# Altium PCB A_base2017.PcbDoc (part 3 of 4)
Units mil, origin at the board's own origin, x right, y up, seen from the top; angles counter-clockwise.
Board outline 7800.07 x 4185 mil, 2 copper layers (Top Layer, Bottom Layer); 147 components, 175 nets, 700 pads, 92 vias.
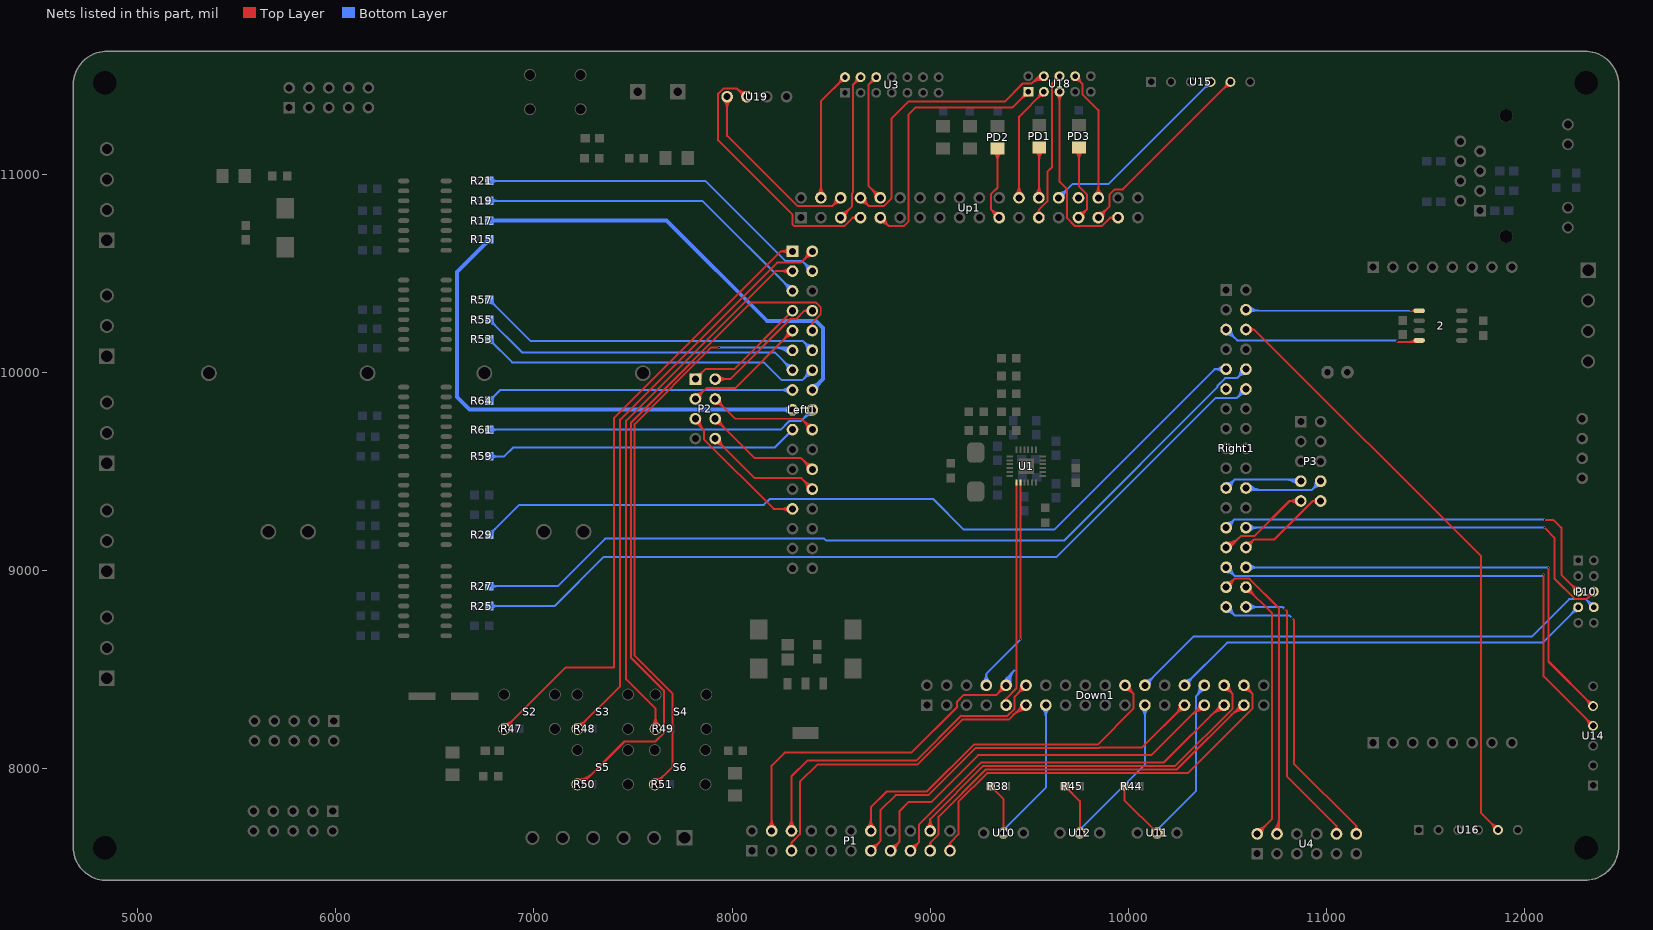
[diagram p3: the nets of this part, all layers, seen from the top]

## Via types
v1: diameter 10, hole 10, Top Layer to Bottom Layer, 80 vias
v2: diameter 20, hole 20, Top Layer to Bottom Layer, 11 vias
v3: diameter 12, hole 12, Top Layer to Bottom Layer, 1 vias

## Nets (pads, with @x,y where several pads share a name; then routed paths per layer and width w, separated by ;. In a path a pad name is that pad's centre, name@x,y a point inside that pad or via, vN(x,y) a via of type N, cw(c..) or ccw(c..) an arc to the next point about the centre after c; other vN are vias at no path point) (continued)
PA10: Right1.6 U16.5 | length 3201.7
  Top Layer w10: Right1.6@10593.09,10215.17 10634.83,10215.17 ; Right1.6@10614.52,10203.24 cw(c10634.83,10191.93) 10634.83,10215.17 ; Right1.6@10614.52,10227.11 ccw(c10634.83,10238.41) 10634.83,10215.17 ; U16.5@11845,7690 ccw(c11796.72,7690) 11830.86,7724.14 ccw(c11865,7758.28) U16.5@11865,7710 ; U16.5@11865,7690 11780,7775 11780,9070 10634.83,10215.17
PA11: 2.4 Right1.5 | length 1199.5
  Top Layer w10: 11362.15,10153.38 cw(c11362.15,10163.49) v1(11355,10156.34) 11357.96,10153.38 11461.09,10153.38 2.4@11467.72,10160 ; 11418.55,10153.38 ccw(c11418.55,10192.43) 2.4@11446.17,10164.82
  Bottom Layer w10: Right1.5@10493.09,10190.64 cw(c10493.09,10131.43) 10534.96,10173.3 cw(c10576.84,10215.17) Right1.5@10517.62,10215.17 ; Right1.5@10493.09,10200.64 cw(c10493.09,10165.57) 10517.89,10190.37 cw(c10542.69,10215.17) Right1.5@10507.62,10215.17 ; Right1.5@10493.09,10215.17 10548.26,10160 11351.34,10160 v1(11355,10156.34) ccw(c11346.16,10147.5) 11346.16,10160
PA12: 2.1 Right1.4 | length 1037
  Top Layer w10: Right1.4@10593.09,10315.17 Right1.4@10598.26,10310 ; v1(11425,10310) 2.1@11467.72,10310 ; 2.1@11446.17,10305.18 ccw(c11434.54,10293.56) 11434.54,10310 ccw(c11434.54,10326.44) 2.1@11446.17,10314.82
  Bottom Layer w10: Right1.4@10598.26,10310 v1(11425,10310) ; Right1.4@10603.37,10325.44 ccw(c10640.65,10362.73) 10640.65,10310 ; Right1.4@10610.44,10297.83 cw(c10639.82,10268.44) 10639.82,10310 ; Right1.4@10610.44,10332.52 ccw(c10664.79,10386.87) 10664.79,10310
PB0: Down1.10 P1.4 | length 2346.7
  Top Layer w10: P1.4@8182.66,7702.34 ccw(c8140.79,7744.21) 8200,7744.21 ccw(c8259.21,7744.21) P1.4@8217.34,7702.34 ; P1.4@8189.73,7695.27 ccw(c8164.93,7720.07) 8200,7720.07 ccw(c8235.07,7720.07) P1.4@8210.27,7695.27 ; P1.4@8200,7685 8200,8015 8265,8080 8905,8080 9135,8310 9135,8337.39 9167.61,8370 9333.16,8370 Down1.10@9383.07,8419.91 ; Down1.10@9358.54,8419.91 cw(c9299.33,8419.91) 9341.2,8378.04 cw(c9383.07,8336.17) Down1.10@9383.07,8395.39 ; Down1.10@9368.54,8419.91 cw(c9333.47,8419.91) 9358.27,8395.11 cw(c9383.07,8370.31) Down1.10@9383.07,8405.39
  Bottom Layer w10: Down1.10@9375.89,8443.37 ccw(c9372.92,8453.07) 9383.07,8453.07 ; Down1.10@9377.79,8418.48 cw(c9417.54,8429.29) 9388.41,8458.41 ; Down1.10@9383.07,8419.91 9383.07,8453.07 ; Down1.10@9387.44,8421.1 cw(c9436.71,8434.5) 9400.61,8470.61 ; Down1.10@9390.25,8443.37 cw(c9393.22,8453.07) 9383.07,8453.07 ; Down1.10@9397.09,8423.73 cw(c9455.89,8439.72) 9412.8,8482.8 ; Down1.10@9406.74,8426.35 cw(c9475.06,8444.93) 9425,8495 9383.07,8453.07
PB1: Down1.11 P1.5 | length 1894.3
  Top Layer w10: P1.5@8288.95,7606.9 ccw(c8279.88,7624.86) 8300,7624.86 ; P1.5@8300,7585 8300,7624.86 ; P1.5@8311.05,7606.9 cw(c8320.12,7624.86) 8300,7624.86 ; 9416.62,8267.86 cw(c9483.07,8201.4) Down1.11@9483.07,8295.39 ; 9433.69,8284.93 cw(c9483.07,8235.55) Down1.11@9483.07,8305.39 ; 9450.76,8302 cw(c9483.07,8269.69) Down1.11@9483.07,8315.39 ; 9451.38,8302.63 ccw(c9434.1,8319.91) Down1.11@9458.54,8319.91 ; Down1.11@9483.07,8319.91 9468.67,8319.91 9395.76,8247 9161.07,8247 8934.07,8020 8430,8020 8342.53,7932.53 8342.53,7667.38 8300,7624.86
PB2: Down1.12 P1.6 | length 1980
  Top Layer w10: P1.6@8282.66,7702.34 ccw(c8240.79,7744.21) 8300,7744.21 ccw(c8359.21,7744.21) P1.6@8317.34,7702.34 ; P1.6@8289.73,7695.27 ccw(c8264.93,7720.07) 8300,7720.07 ccw(c8335.07,7720.07) P1.6@8310.27,7695.27 ; P1.6@8300,7685 8300,7960 8380,8040 8928.61,8040 9153.61,8265 9388.3,8265 9425.6,8302.3 9425.6,8362.44 Down1.12@9483.07,8419.91 ; Down1.12@9458.54,8419.91 cw(c9399.33,8419.91) 9441.2,8378.04 cw(c9483.07,8336.17) Down1.12@9483.07,8395.39 ; Down1.12@9468.54,8419.91 cw(c9433.47,8419.91) 9458.27,8395.11 cw(c9483.07,8370.31) Down1.12@9483.07,8405.39
PB5: U3.6 Up1.10 | length 872.1
  Top Layer w10: 8689.48,10938.61 8689.48,11450.74 U3.6@8727.48,11488.74 ; 8690,10938.09 Up1.10@8748.15,10879.94 ; U3.6@8707.48,11488.74 cw(c8659.2,11488.74) 8693.34,11454.6 cw(c8727.48,11420.46) U3.6@8727.48,11468.74 ; Up1.10@8723.62,10879.94 ccw(c8664.4,10879.94) 8706.27,10921.82 ccw(c8748.15,10963.69) Up1.10@8748.15,10904.47 ; Up1.10@8733.62,10879.94 ccw(c8698.55,10879.94) 8723.35,10904.75 ccw(c8748.15,10929.55) Up1.10@8748.15,10894.47
PB6: U18.1 Up1.9 | length 1555.9
  Top Layer w10: Up1.9@8748.15,10755.42 cw(c8748.15,10696.2) 8790.02,10738.07 cw(c8831.89,10779.94) Up1.9@8772.67,10779.94 ; Up1.9@8748.15,10765.42 cw(c8748.15,10730.34) 8772.95,10755.15 cw(c8797.75,10779.94) Up1.9@8762.67,10779.94 ; Up1.9@8768.07,10760.02 8790.67,10737.42 8865.76,10737.42 8890.67,10762.33 8890.67,11299.33 ; 8890,11300 8925,11335 9415,11335 U18.1@9495,11415 ; U18.1@9475,11415 cw(c9426.72,11415) 9460.86,11380.86 cw(c9495,11346.72) U18.1@9495,11395
PB7: U18.4 Up1.8 | length 1755.4
  Top Layer w10: Up1.8@8648.15,10855.42 cw(c8648.15,10796.2) 8690.02,10838.07 cw(c8731.89,10879.94) Up1.8@8672.67,10879.94 ; Up1.8@8648.15,10865.42 cw(c8648.15,10830.34) 8672.95,10855.15 cw(c8697.75,10879.94) Up1.8@8662.67,10879.94 ; Up1.8@8648.15,10879.94 8690.67,10837.42 8765.76,10837.42 8805.62,10877.27 8805.62,11280.62 8890,11365 9375,11365 9465.74,11455.74 9510.74,11455.74 ; 9524.14,11469.14 cw(c9562.01,11431.27) U18.4@9571.9,11483.91 ; 9537.55,11482.55 cw(c9566.25,11453.84) U18.4@9573.74,11493.74 9548.74,11493.74 9510.74,11455.74 ; U18.4@9570.05,11474.08 ccw(c9557.78,11408.71) 9510.74,11455.74
PB8: U19.3 Up1.7 | length 1519.7
  Top Layer w10: 8037.51,11417.49 ccw(c8069.43,11449.4) U19.3@8073.64,11404.46 ; 8040.2,11414.8 cw(c8015.4,11390) U19.3@8050.47,11390 ; U19.3@8072.71,11414.42 cw(c8066.85,11476.9) 8022.47,11432.53 ; U19.3@8075,11390 8065,11390 8022.47,11432.53 ; Up1.7@8626.25,10768.89 ccw(c8608.29,10759.83) 8608.29,10779.95 ; Up1.7@8626.25,10791 cw(c8608.29,10800.06) 8608.29,10779.94 ; Up1.7@8648.15,10779.94 8608.29,10779.94 ; 8022.47,11432.53 7957.38,11432.53 7930,11405.14 7930,11170 8305.62,10794.38 8305.62,10745.03 8313.23,10737.42 8565.76,10737.42 8608.29,10779.94
PB9: U19.4 Up1.6 | length 1231.3
  Top Layer w10: U19.4@7957.66,11372.66 cw(c7915.79,11330.79) 7975,11330.79 cw(c8034.21,11330.79) U19.4@7992.34,11372.66 ; U19.4@7964.73,11379.73 cw(c7939.93,11354.93) 7975,11354.93 cw(c8010.07,11354.93) U19.4@7985.27,11379.73 ; U19.4@7975,11390 7975,11192.95 8330.53,10837.42 8505.62,10837.42 Up1.6@8548.15,10879.94 ; Up1.6@8523.62,10879.94 cw(c8464.4,10879.94) 8506.27,10838.07 cw(c8548.15,10796.2) Up1.6@8548.15,10855.42 ; Up1.6@8533.62,10879.94 cw(c8498.55,10879.94) 8523.35,10855.14 cw(c8548.15,10830.34) Up1.6@8548.15,10865.42
PB10: Down1.33 P1.19 | length 2191.8
  Top Layer w10: P1.19@8988.95,7606.9 ccw(c8979.88,7624.86) 9000,7624.86 ; P1.19@9000,7585 9000,7624.86 ; P1.19@9011.05,7606.9 cw(c9020.12,7624.86) 9000,7624.86 ; 10516.62,8267.86 cw(c10583.07,8201.4) Down1.33@10583.07,8295.39 ; 10533.69,8284.93 cw(c10583.07,8235.55) Down1.33@10583.07,8305.39 ; 10550.76,8302 cw(c10583.07,8269.69) Down1.33@10583.07,8315.39 ; 10551.38,8302.63 ccw(c10534.1,8319.91) Down1.33@10558.54,8319.91 ; Down1.33@10583.07,8319.91 10568.67,8319.91 10243.76,7995 9280,7995 9042.53,7757.53 9042.53,7667.38 9000,7624.86
PB11: Down1.34 P1.21 | length 2270.3
  Top Layer w10: P1.21@9088.95,7606.9 ccw(c9079.88,7624.86) 9100,7624.86 ; P1.21@9100,7585 9100,7624.86 ; P1.21@9111.05,7606.9 cw(c9120.12,7624.86) 9100,7624.86 ; Down1.34@10583.07,8395.39 cw(c10583.07,8336.17) 10624.94,8378.04 cw(c10666.81,8419.91) Down1.34@10607.6,8419.91 ; Down1.34@10583.07,8405.39 cw(c10583.07,8370.31) 10607.87,8395.11 cw(c10632.67,8419.91) Down1.34@10597.6,8419.91 ; Down1.34@10583.07,8419.91 10625.6,8377.39 10625.6,8302.3 10300.3,7977 9287.46,7977 9142.53,7832.07 9142.53,7667.38 9100,7624.86
PB12: Right1.34 U4.10 | length 1636.5
  Top Layer w10: v1(10790,8805) 10800,8795 10800,7960 11050,7710 ; U4.10@11038.88,7691.86 ccw(c11029.65,7710) 11050,7710 ; U4.10@11050,7670 11050,7710 ; U4.10@11061.12,7691.86 cw(c11070.35,7710) 11050,7710
  Bottom Layer w10: Right1.34@10593.26,8815 10780,8815 v1(10790,8805) ; Right1.34@10603.37,8804.9 cw(c10627.75,8780.51) 10627.75,8815 ; Right1.34@10603.37,8825.44 ccw(c10628.58,8850.66) 10628.58,8815 ; Right1.34@10610.44,8797.83 cw(c10651.89,8756.37) 10651.89,8815 ; Right1.34@10610.44,8832.52 ccw(c10652.72,8874.8) 10652.72,8815
PB13: Right1.33 U4.12 | length 1772.3
  Top Layer w10: v1(10825,8760) 10835,8750 10835,8025 11150,7710 ; U4.12@11138.88,7691.86 ccw(c11129.65,7710) 11150,7710 ; U4.12@11150,7670 11150,7710 ; U4.12@11161.12,7691.86 cw(c11170.35,7710) 11150,7710
  Bottom Layer w10: Right1.33@10493.09,8790.64 cw(c10493.09,8731.43) 10534.96,8773.3 cw(c10576.84,8815.17) Right1.33@10517.62,8815.17 ; Right1.33@10493.09,8800.64 cw(c10493.09,8765.57) 10517.89,8790.37 cw(c10542.69,8815.17) Right1.33@10507.62,8815.17 ; Right1.33@10493.09,8815.17 10535.62,8772.64 10812.36,8772.64 v1(10825,8760)
PB14: Right1.32 U4.2 | length 1627.6
  Top Layer w10: Right1.32@10593.09,8890.64 cw(c10593.09,8831.43) 10634.96,8873.3 cw(c10676.84,8915.17) Right1.32@10617.62,8915.17 ; Right1.32@10593.09,8900.64 cw(c10593.09,8865.57) 10617.89,8890.37 cw(c10642.69,8915.17) Right1.32@10607.62,8915.17 ; Right1.32@10593.09,8915.17 10725,8783.26 10725,8438.73 10725.6,8438.13 10725.6,7745.6 U4.2@10650,7670 ; U4.2@10650,7684.53 ccw(c10650,7719.6) 10674.8,7694.8 ccw(c10699.6,7670) U4.2@10664.53,7670 ; U4.2@10650,7694.53 ccw(c10650,7753.74) 10691.87,7711.87 ccw(c10733.74,7670) U4.2@10674.53,7670
PB15: Right1.31 U4.4 | length 1819.8
  Top Layer w10: Right1.31@10493.09,8915.17 10535.62,8957.7 10610.71,8957.7 10760,8808.41 10760,7680 U4.4@10750,7670 ; Right1.31@10493.09,8929.7 ccw(c10493.09,8964.77) 10517.89,8939.97 ccw(c10542.69,8915.17) Right1.31@10507.62,8915.17 ; Right1.31@10493.09,8939.7 ccw(c10493.09,8998.91) 10534.96,8957.04 ccw(c10576.84,8915.17) Right1.31@10517.62,8915.17 ; U4.4@10732.66,7687.34 ccw(c10666.64,7753.36) 10760,7753.36 ; U4.4@10739.73,7680.27 ccw(c10690.79,7729.21) 10760,7729.21 ; U4.4@10746.8,7673.2 ccw(c10714.93,7705.07) 10760,7705.07 ccw(c10785.07,7705.07) U4.4@10767.34,7687.34
PC0: Left1.24 P2.6 | length 891.8
  Top Layer w10: P2.6@7915,9740.47 cw(c7915,9681.26) 7956.87,9723.13 cw(c7998.74,9765) P2.6@7939.53,9765 ; P2.6@7915,9750.47 cw(c7915,9715.4) 7939.8,9740.2 cw(c7964.6,9765) P2.6@7929.53,9765 ; P2.6@7915,9765 8112.53,9567.47 8347.53,9567.47 Left1.24@8405,9510 ; Left1.24@8380.47,9510 ccw(c8321.26,9510) 8363.13,9551.87 ccw(c8405,9593.74) Left1.24@8405,9534.53 ; Left1.24@8390.47,9510 ccw(c8355.4,9510) 8380.2,9534.8 ccw(c8405,9559.6) Left1.24@8405,9524.53
PC2: Left1.26 P2.8 | length 891.8
  Top Layer w10: P2.8@7915,9640.47 cw(c7915,9581.26) 7956.87,9623.13 cw(c7998.74,9665) P2.8@7939.53,9665 ; P2.8@7915,9650.47 cw(c7915,9615.4) 7939.8,9640.2 cw(c7964.6,9665) P2.8@7929.53,9665 ; P2.8@7915,9665 8115,9465 8350,9465 Left1.26@8405,9410 ; Left1.26@8380.47,9410 ccw(c8321.26,9410) 8363.13,9451.87 ccw(c8405,9493.74) Left1.26@8405,9434.53 ; Left1.26@8390.47,9410 ccw(c8355.4,9410) 8380.2,9434.8 ccw(c8405,9459.6) Left1.26@8405,9424.53
PC3: Left1.27 P2.5 | length 1015.3
  Top Layer w10: P2.5@7815,9740.47 cw(c7815,9717.34) 7831.36,9733.7 ; P2.5@7815,9765 7815,9750.06 7857.53,9707.53 ; P2.5@7819.49,9764.39 ccw(c7852.83,9759.82) 7829.03,9736.02 ; P2.5@7829.39,9763.03 ccw(c7877.89,9756.39) 7843.28,9721.78 ; P2.5@7839.3,9761.67 ccw(c7902.96,9752.96) 7857.53,9707.53 ; Left1.27@8287.66,9292.66 ccw(c8245.79,9250.79) 8245.79,9310 ccw(c8245.79,9369.21) Left1.27@8287.66,9327.34 ; Left1.27@8294.73,9299.73 ccw(c8269.93,9274.93) 8269.93,9310 ccw(c8269.93,9345.07) Left1.27@8294.73,9320.27 ; Left1.27@8305,9310 8209.86,9310 7857.53,9662.33 7857.53,9707.53
PC4: Down1.8 U1.8 | length 1238.4
  Top Layer w10: v1(9455,8650) U1.8@9455,9443.06
  Bottom Layer w10: Down1.8@9265.95,8437.48 ccw(c9226.39,8478.07) 9283.07,8478.07 ; Down1.8@9272.93,8430.32 ccw(c9249.5,8454.36) 9283.07,8454.36 ccw(c9316.64,8454.36) Down1.8@9293.21,8430.32 ; Down1.8@9283.07,8419.91 9283.07,8478.07 ; Down1.8@9300.19,8437.48 cw(c9339.75,8478.07) 9283.07,8478.07 ; v1(9455,8650) 9283.07,8478.07
PC5: Down1.9 U1.7 | length 1170.6
  Top Layer w10: Down1.9@9375.89,8343.37 ccw(c9372.92,8353.07) 9383.07,8353.07 ; Down1.9@9383.07,8319.91 9383.07,8353.07 ; Down1.9@9390.25,8343.37 cw(c9393.22,8353.07) 9383.07,8353.07 ; U1.7@9435.31,9443.06 9435.31,8405.31 9383.07,8353.07
PC6: R25.1 Right1.12 | length 4483
  Bottom Layer w10: R25.1@6775,8820 7105,8820 7352.47,9067.47 9637.47,9067.47 10440,9870 10547.92,9870 Right1.12@10593.09,9915.17 ; R25.1@6786.78,8808.22 cw(c6815.21,8779.79) 6815.21,8820 cw(c6815.21,8860.21) R25.1@6786.78,8831.78 ; Right1.12@10568.57,9915.17 cw(c10509.35,9915.17) 10551.22,9873.3 cw(c10593.09,9831.43) Right1.12@10593.09,9890.64 ; Right1.12@10578.57,9915.17 cw(c10543.49,9915.17) 10568.29,9890.37 cw(c10593.09,9865.57) Right1.12@10593.09,9900.64
PC7: Right1.11
PC8: R27.1 Right1.10 | length 4495.5
  Bottom Layer w10: R27.1@6775,8920 7120,8920 7360,9160 8465,9160 8475,9150 9675,9150 10450.57,9925.57 10450.57,9932.79 10487.78,9970 10547.92,9970 Right1.10@10593.09,10015.17 ; R27.1@6786.78,8908.22 cw(c6815.21,8879.79) 6815.21,8920 cw(c6815.21,8960.21) R27.1@6786.78,8931.78 ; Right1.10@10568.57,10015.17 cw(c10509.35,10015.17) 10551.22,9973.3 cw(c10593.09,9931.43) Right1.10@10593.09,9990.64 ; Right1.10@10578.57,10015.17 cw(c10543.49,10015.17) 10568.29,9990.37 cw(c10593.09,9965.57) Right1.10@10593.09,10000.64
PC9: R29.1 Right1.9 | length 4398.8
  Bottom Layer w10: R29.1@6775,9180 6925,9330 8160,9330 8190,9360 9015,9360 9170,9205 9625,9205 10435.17,10015.17 Right1.9@10493.09,10015.17 ; R29.1@6775,9196.65 ccw(c6775,9236.86) 6803.43,9208.43 ccw(c6831.86,9180) R29.1@6791.65,9180 ; Right1.9@10475.48,9998.1 ccw(c10435.17,9959.05) 10435.17,10015.17 ccw(c10435.17,10071.29) Right1.9@10475.48,10032.24 ; Right1.9@10482.66,10005.06 ccw(c10458.79,9981.93) 10458.79,10015.17 ccw(c10458.79,10048.41) Right1.9@10482.66,10025.28
PC10: U18.5 Up1.33 | length 1065.4
  Top Layer w10: U18.5@9638.34,11400.86 cw(c9604.2,11366.72) 9652.48,11366.72 cw(c9700.76,11366.72) U18.5@9666.62,11400.86 ; U18.5@9652.48,11415 9652.48,10960.66 9690.67,10922.47 9690.67,10777.27 9730.53,10737.42 9865.76,10737.42 9908.29,10779.94 ; Up1.33@9926.25,10768.89 ccw(c9908.29,10759.83) 9908.29,10779.95 ; Up1.33@9926.25,10791 cw(c9908.29,10800.06) 9908.29,10779.94 ; Up1.33@9948.15,10779.94 9908.29,10779.94
PC11: U18.8 Up1.32 | length 910.3
  Top Layer w10: U18.8@9731.22,11473.74 cw(c9731.22,11432.07) 9760.68,11461.54 ; U18.8@9731.22,11493.74 9731.22,11491 9769.22,11453 9769.22,11400.78 9848.15,11321.85 Up1.32@9848.15,10879.94 ; U18.8@9741.22,11493.74 ccw(c9771.98,11493.74) 9750.23,11471.99 ; U18.8@9751.22,11493.74 ccw(c9806.12,11493.74) 9767.3,11454.92 ; Up1.32@9830.8,10897.29 ccw(c9788.93,10939.16) 9848.14,10939.16 ccw(c9907.36,10939.16) Up1.32@9865.49,10897.29 ; Up1.32@9837.87,10890.22 ccw(c9813.07,10915.02) 9848.15,10915.02 ccw(c9883.22,10915.02) Up1.32@9858.42,10890.22
PC12: U15.5 Up1.31 | length 1209.8
  Top Layer w10: Up1.31@9848.15,10779.94 9905.62,10837.42 9905.62,10897.56 9930.53,10922.47 9972.47,10922.47 U15.5@10515,11465 ; Up1.31@9848.15,10794.47 ccw(c9848.15,10829.55) 9872.95,10804.74 ccw(c9897.75,10779.94) Up1.31@9862.67,10779.94 ; Up1.31@9848.15,10804.47 ccw(c9848.15,10863.69) 9890.02,10821.82 ccw(c9931.89,10779.94) Up1.31@9872.67,10779.94 ; U15.5@10495,11465 cw(c10446.72,11465) 10480.86,11430.86 cw(c10515,11396.72) U15.5@10515,11445
PC13: Left1.7 P2.1 | length 781
  Top Layer w10: P2.1@7815,9965 7865,10015 8010,10015 Left1.7@8305,10310 ; P2.1@7815,9979.53 ccw(c7815,10014.6) 7839.8,9989.8 ccw(c7864.6,9965) P2.1@7829.53,9965 ; P2.1@7815,9989.53 ccw(c7815,10048.74) 7856.87,10006.87 ccw(c7898.74,9965) P2.1@7839.53,9965
PC14: Left1.8 P2.2 | length 825.4
  Top Layer w10: P2.2@7915,9965 7990,9965 8292.47,10267.47 8322.62,10267.47 8365.14,10310 ; P2.2@7925.27,9954.73 cw(c7950.07,9929.93) 7950.07,9965 cw(c7950.07,10000.07) P2.2@7925.27,9975.27 ; P2.2@7932.34,9947.66 cw(c7974.21,9905.79) 7974.21,9965 cw(c7974.21,10024.21) P2.2@7932.34,9982.34 ; Left1.8@8383.1,10298.95 ccw(c8365.14,10289.88) 8365.14,10310 ; Left1.8@8383.1,10321.05 cw(c8365.14,10330.12) 8365.14,10310 ; Left1.8@8405,10310 8365.14,10310
PC15: Left1.9 P2.3 | length 929.1
  Top Layer w10: P2.3@7815,9865 7870,9920 8015,9920 Left1.9@8305,10210 ; P2.3@7815,9879.53 ccw(c7815,9914.6) 7839.8,9889.8 ccw(c7864.6,9865) P2.3@7829.53,9865 ; P2.3@7815,9889.53 ccw(c7815,9948.74) 7856.87,9906.87 ccw(c7898.74,9865) P2.3@7839.53,9865 ; Left1.9@8280.47,10210 cw(c8221.26,10210) 8263.13,10168.13 cw(c8305,10126.26) Left1.9@8305,10185.47 ; Left1.9@8290.47,10210 cw(c8255.4,10210) 8280.2,10185.2 cw(c8305,10160.4) Left1.9@8305,10195.47
PD0: Up1.30
PD1: PD3.2 Up1.29 | length 695.9
  Top Layer w10: PD3.2@9731.62,11115.62 cw(c9687.23,11071.23) 9750,11071.23 cw(c9812.77,11071.23) PD3.2@9768.38,11115.62 ; PD3.2@9738.69,11122.69 cw(c9711.37,11095.37) 9750,11095.37 cw(c9788.63,11095.37) PD3.2@9761.31,11122.69 ; Up1.29@9748.15,10779.94 9790.67,10822.47 9790.67,10897.56 9750,10938.23 PD3.2@9750,11134 ; Up1.29@9748.15,10794.47 ccw(c9748.15,10829.55) 9772.95,10804.74 ccw(c9797.75,10779.94) Up1.29@9762.67,10779.94 ; Up1.29@9748.15,10804.47 ccw(c9748.15,10863.69) 9790.02,10821.82 ccw(c9831.89,10779.94) Up1.29@9772.67,10779.94
PD2: U15.4 Up1.28 | length 1233.1
  Bottom Layer w10: Up1.28@9648.15,10879.94 9718.2,10950 9900,10950 U15.4@10415,11465 ; Up1.28@9648.15,10894.47 ccw(c9648.15,10929.55) 9672.95,10904.74 ccw(c9697.75,10879.94) Up1.28@9662.67,10879.94 ; Up1.28@9648.15,10904.47 ccw(c9648.15,10963.69) 9690.02,10921.82 ccw(c9731.89,10879.94) Up1.28@9672.67,10879.94 ; U15.4@10395,11465 cw(c10346.72,11465) 10380.86,11430.86 cw(c10415,11396.72) U15.4@10415,11445
PD4: PD1.2 Up1.26 | length 562.2
  Top Layer w10: Up1.26@9530.8,10897.29 ccw(c9484.45,10943.64) 9550,10943.64 ; PD1.2@9531.62,11115.62 cw(c9487.23,11071.23) 9550,11071.23 cw(c9612.77,11071.23) PD1.2@9568.38,11115.62 ; Up1.26@9537.87,10890.22 ccw(c9508.59,10919.5) 9550,10919.5 ; PD1.2@9538.69,11122.69 cw(c9511.37,11095.37) 9550,11095.37 cw(c9588.63,11095.37) PD1.2@9561.31,11122.69 ; Up1.26@9548.15,10879.94 9550,10881.8 PD1.2@9550,11134 ; 9550,10910.54 ccw(c9578.74,10910.54) Up1.26@9558.42,10890.22 ; 9550,10934.68 ccw(c9602.88,10934.68) Up1.26@9565.49,10897.29
PD5: U18.6 Up1.25 | length 877.3
  Top Layer w10: Up1.25@9537.09,10801.84 ccw(c9528.03,10819.8) 9548.15,10819.8 ; Up1.25@9548.15,10779.94 9548.15,10819.8 ; Up1.25@9559.2,10801.84 cw(c9568.26,10819.8) 9548.14,10819.8 ; U18.6@9632.48,11493.74 cw(c9584.2,11493.74) 9618.34,11459.6 cw(c9652.48,11425.46) U18.6@9652.48,11473.74 ; U18.6@9652.48,11493.74 9615,11456.26 9615,11431.78 9614.48,11431.26 9614.48,11034.48 9590.67,11010.67 9590.67,10862.33 9548.15,10819.8
PD6: U18.3 Up1.24 | length 811
  Top Layer w10: Up1.24@9430.8,10897.29 ccw(c9388.93,10939.16) 9448.14,10939.16 ccw(c9507.36,10939.16) Up1.24@9465.49,10897.29 ; Up1.24@9437.87,10890.22 ccw(c9413.07,10915.02) 9448.15,10915.02 ccw(c9483.22,10915.02) Up1.24@9458.42,10890.22 ; Up1.24@9448.15,10879.94 9448.15,11289.4 U18.3@9573.74,11415 ; U18.3@9553.74,11415 cw(c9505.46,11415) 9539.6,11380.86 cw(c9573.74,11346.72) U18.3@9573.74,11395
PD7: PD2.2 Up1.21 | length 688.3
  Top Layer w10: PD2.2@9321.62,11110.62 cw(c9277.23,11066.23) 9340,11066.23 cw(c9402.77,11066.23) PD2.2@9358.38,11110.62 ; Up1.21@9323.62,10779.94 ccw(c9264.4,10779.94) 9306.27,10821.82 ccw(c9348.15,10863.69) Up1.21@9348.15,10804.47 ; PD2.2@9328.69,11117.69 cw(c9301.37,11090.37) 9340,11090.37 cw(c9378.63,11090.37) PD2.2@9351.31,11117.69 ; Up1.21@9333.62,10779.94 ccw(c9298.55,10779.94) 9323.35,10804.75 ccw(c9348.15,10829.55) Up1.21@9348.15,10794.47 ; PD2.2@9340,11129 9340,10931.94 9305.62,10897.56 9305.62,10822.47 Up1.21@9348.15,10779.94
PD8: Right1.30 U14.5 | length 2544.1
  Top Layer w10: v1(12120,9015) 12120,8540 U14.5@12345,8315 ; U14.5@12325,8315 ccw(c12276.72,8315) 12310.86,8349.14 ccw(c12345,8383.28) U14.5@12345,8335
  Bottom Layer w10: Right1.30@10593.09,9015.17 10593.26,9015 v1(12120,9015) ; Right1.30@10603.37,9004.9 cw(c10627.75,8980.51) 10627.75,9015 ; Right1.30@10603.37,9025.44 ccw(c10628.58,9050.66) 10628.58,9015 ; Right1.30@10610.44,8997.83 cw(c10651.89,8956.37) 10651.89,9015 ; Right1.30@10610.44,9032.52 ccw(c10652.72,9074.8) 10652.72,9015
PD9: Right1.29 U14.4 | length 2715.1
  Top Layer w10: v1(12095,8980) 12095,8465 U14.4@12345,8215 ; U14.4@12325,8215 ccw(c12276.72,8215) 12310.86,8249.14 ccw(c12345,8283.28) U14.4@12345,8235
  Bottom Layer w10: Right1.29@10493.09,8990.64 cw(c10493.09,8931.43) 10534.96,8973.3 cw(c10576.84,9015.17) Right1.29@10517.62,9015.17 ; Right1.29@10493.09,9000.64 cw(c10493.09,8965.57) 10517.89,8990.37 cw(c10542.69,9015.17) Right1.29@10507.62,9015.17 ; Right1.29@10493.09,9015.17 10535.62,8972.64 12087.64,8972.64 v1(12095,8980)
PD10: P3.10 Right1.28 | length 653.7
  Top Layer w10: Right1.28@10593.09,9115.17 10632.57,9154.64 ; Right1.28@10593.71,9129.69 ccw(c10595.01,9160.02) 10616.47,9138.55 ccw(c10637.94,9117.08) Right1.28@10607.61,9115.79 ; Right1.28@10594.14,9139.68 ccw(c10596.32,9190.88) 10632.56,9154.64 ; Right1.28@10617.6,9116.22 cw(c10668.81,9118.4) 10632.56,9154.64 ; P3.10@10948.1,9338.95 ccw(c10930.14,9329.88) 10930.14,9350 ; P3.10@10948.1,9361.05 cw(c10930.14,9370.12) 10930.14,9350 ; P3.10@10970,9350 10930.14,9350 ; 10632.57,9154.64 10734.79,9154.64 10930.14,9350
PD11: P3.9 Right1.27 | length 807.8
  Top Layer w10: Right1.27@10493.09,9119.7 ccw(c10493.09,9171.86) 10529.98,9134.98 ; Right1.27@10493.09,9129.7 ccw(c10493.09,9206) 10547.05,9152.05 ; Right1.27@10493.09,9139.7 ccw(c10493.09,9240.15) 10564.12,9169.12 ; Right1.27@10510.17,9115.17 10567.64,9172.64 10635.62,9172.64 10812.98,9350 ; Right1.27@10517.62,9115.17 cw(c10535.6,9115.17) 10522.89,9127.89 ; P3.9@10852.19,9333.13 ccw(c10812.98,9295.98) 10812.98,9350 ; P3.9@10852.19,9366.87 cw(c10812.98,9404.02) 10812.98,9350 ; P3.9@10859.45,9340.01 ccw(c10836.23,9318.01) 10836.23,9350 ccw(c10836.23,9381.99) P3.9@10859.45,9359.99 ; P3.9@10870,9350 10812.98,9350
  Bottom Layer w10: Right1.27@10493.09,9115.17 Right1.27@10510.17,9115.17
PD12: P10.6 Right1.26 | length 2265.5
  Top Layer w10: v1(12100,9215) 12150,9165 12150,8958.78 12254.26,8854.52 12310.74,8854.52 P10.6@12348.74,8892.52 ; P10.6@12328.74,8892.52 cw(c12280.46,8892.52) 12314.6,8858.38 cw(c12348.74,8824.24) P10.6@12348.74,8872.52
  Bottom Layer w10: Right1.26@10593.09,9215.17 v1@12100,9215.17 ; Right1.26@10603.37,9204.9 cw(c10628.17,9180.1) 10628.17,9215.17 cw(c10628.17,9250.24) Right1.26@10603.37,9225.44 ; Right1.26@10610.44,9197.83 cw(c10652.31,9155.96) 10652.31,9215.17 cw(c10652.31,9274.39) Right1.26@10610.44,9232.52
PD13: P10.5 Right1.25 | length 2316.1
  Top Layer w10: v1(12100,9255) 12145,9255 12185,9215 12185,8977.52 P10.5@12270,8892.52 ; P10.5@12250,8892.52 ccw(c12201.72,8892.52) 12235.86,8926.66 ccw(c12270,8960.8) P10.5@12270,8912.52
  Bottom Layer w10: Right1.25@10493.09,9215.17 10535.62,9257.7 12097.3,9257.7 v1(12100,9255) ccw(c12093.48,9248.48) 12093.48,9257.7 ; Right1.25@10493.09,9229.7 ccw(c10493.09,9264.77) 10517.89,9239.97 ccw(c10542.69,9215.17) Right1.25@10507.62,9215.17 ; Right1.25@10493.09,9239.7 ccw(c10493.09,9298.91) 10534.96,9257.04 ccw(c10576.84,9215.17) Right1.25@10517.62,9215.17
PD14: P3.8 Right1.22 | length 731.6
  Top Layer w10: Right1.22@10593.09,9415.17 Right1.22@10603.26,9405
  Bottom Layer w10: Right1.22@10596.29,9418.37 ccw(c10628.58,9450.66) 10628.58,9405 ; Right1.22@10603.26,9405 10925,9405 P3.8@10970,9450 ; Right1.22@10603.37,9425.44 ccw(c10652.72,9474.8) 10652.72,9405 ; Right1.22@10610.44,9397.83 cw(c10627.75,9380.51) 10627.75,9405 ; Right1.22@10610.44,9432.52 ccw(c10676.86,9498.94) 10676.86,9405 ; P3.8@10945.47,9450 cw(c10886.26,9450) 10928.13,9408.13 cw(c10970,9366.26) P3.8@10970,9425.47 ; P3.8@10955.47,9450 cw(c10920.4,9450) 10945.2,9425.2 cw(c10970,9400.4) P3.8@10970,9435.47
PD15: P3.7 Right1.21 | length 716.3
  Top Layer w10: P3.7@10862.3,9457.7 P3.7@10870,9450
  Bottom Layer w10: Right1.21@10493.09,9415.17 10535.62,9457.7 P3.7@10862.3,9457.7 ; Right1.21@10493.09,9429.7 ccw(c10493.09,9464.77) 10517.89,9439.97 ccw(c10542.69,9415.17) Right1.21@10507.62,9415.17 ; Right1.21@10493.09,9439.7 ccw(c10493.09,9498.91) 10534.96,9457.04 ccw(c10576.84,9415.17) Right1.21@10517.62,9415.17 ; 10792.2,9457.7 cw(c10792.2,9372.2) P3.7@10852.66,9432.66 ; 10816.34,9457.7 cw(c10816.34,9396.34) P3.7@10859.73,9439.73 ; 10829.37,9457.7 ccw(c10829.37,9490.63) P3.7@10852.66,9467.34 ; 10840.48,9457.7 cw(c10840.48,9420.48) P3.7@10866.8,9446.8
PE0: U3.4 Up1.5 | length 974.4
  Top Layer w10: Up1.5@8548.15,10779.94 8605.62,10837.42 8605.62,10901.94 8610,10906.33 8610,11450 U3.4@8648.74,11488.74 ; Up1.5@8548.15,10794.47 ccw(c8548.15,10829.55) 8572.95,10804.74 ccw(c8597.75,10779.94) Up1.5@8562.67,10779.94 ; Up1.5@8548.15,10804.47 ccw(c8548.15,10863.69) 8590.02,10821.82 ccw(c8631.89,10779.94) Up1.5@8572.67,10779.94 ; U3.4@8628.74,11488.74 cw(c8580.46,11488.74) 8614.6,11454.6 cw(c8648.74,11420.46) U3.4@8648.74,11468.74
PE1: U3.2 Up1.4 | length 883.2
  Top Layer w10: Up1.4@8430.8,10897.29 ccw(c8388.93,10939.16) 8448.14,10939.16 ccw(c8507.36,10939.16) Up1.4@8465.49,10897.29 ; Up1.4@8437.87,10890.22 ccw(c8413.07,10915.02) 8448.15,10915.02 ccw(c8483.22,10915.02) Up1.4@8458.42,10890.22 ; Up1.4@8448.15,10879.94 8448.15,11366.89 U3.2@8570,11488.74 ; U3.2@8550,11488.74 cw(c8501.72,11488.74) 8535.86,11454.6 cw(c8570,11420.46) U3.2@8570,11468.74
PE2: Left1.1 R47.1 S2.1 | length 3491.1
  Top Layer w10: S2.1@6850,8200 7160,8510 7405,8510 7405,9770 8245,10610 Left1.1@8305,10610 ; S2.1@6850,8215 ccw(c6850,8251.21) 6875.61,8225.61 ccw(c6901.21,8200) S2.1@6865,8200 ; S2.1@6850,8225 ccw(c6850,8285.36) 6892.68,8242.68 ccw(c6935.36,8200) S2.1@6875,8200 ; Left1.1@8287.66,10592.66 ccw(c8245.79,10550.79) 8245.79,10610 ccw(c8245.79,10669.21) Left1.1@8287.66,10627.34 ; Left1.1@8294.73,10599.73 ccw(c8269.93,10574.93) 8269.93,10610 ccw(c8269.93,10645.07) Left1.1@8294.73,10620.27
PE3: Left1.2 R48.1 S3.1 | length 3271.3
  Top Layer w10: S3.1@7219.09,8200 7435,8415.91 7435,9760 8227.53,10552.53 8347.53,10552.53 Left1.2@8405,10610 ; S3.1@7219.09,8215 ccw(c7219.09,8251.21) 7244.7,8225.61 ccw(c7270.31,8200) S3.1@7234.09,8200 ; S3.1@7219.09,8225 ccw(c7219.09,8285.36) 7261.77,8242.68 ccw(c7304.45,8200) S3.1@7244.09,8200 ; Left1.2@8380.47,10610 cw(c8321.26,10610) 8363.13,10568.13 cw(c8405,10526.26) Left1.2@8405,10585.47 ; Left1.2@8390.47,10610 cw(c8355.4,10610) 8380.2,10585.2 cw(c8405,10560.4) Left1.2@8405,10595.47
PE4: Left1.3 R49.1 S4.1 | length 3069.3
  Top Layer w10: S4.1@7596.42,8217.68 ccw(c7553.74,8260.36) 7614.09,8260.36 ccw(c7674.45,8260.36) S4.1@7631.77,8217.68 ; S4.1@7603.49,8210.61 ccw(c7577.88,8236.21) 7614.09,8236.21 ccw(c7650.31,8236.21) S4.1@7624.7,8210.61 ; S4.1@7614.09,8200 7614.09,8300.91 7465,8450 7465,9755 8220,10510 Left1.3@8305,10510 ; Left1.3@8287.66,10492.66 ccw(c8245.79,10450.79) 8245.79,10510 ccw(c8245.79,10569.21) Left1.3@8287.66,10527.34 ; Left1.3@8294.73,10499.73 ccw(c8269.93,10474.93) 8269.93,10510 ccw(c8269.93,10545.07) Left1.3@8294.73,10520.27
PE5: Left1.4 R21.1 | length 2029.7
  Bottom Layer w10: R21.1@6775,10965 7865,10965 8270,10560 8355,10560 Left1.4@8405,10510 ; R21.1@6786.78,10953.22 cw(c6815.21,10924.79) 6815.21,10965 cw(c6815.21,11005.21) R21.1@6786.78,10976.78 ; Left1.4@8380.47,10510 ccw(c8321.26,10510) 8363.13,10551.87 ccw(c8405,10593.74) Left1.4@8405,10534.53 ; Left1.4@8390.47,10510 ccw(c8355.4,10510) 8380.2,10534.8 ccw(c8405,10559.6) Left1.4@8405,10524.53
PE6: Left1.5 R19.1 | length 1929.7
  Bottom Layer w10: R19.1@6775,10865 7850,10865 Left1.5@8305,10410 ; R19.1@6786.78,10853.22 cw(c6815.21,10824.79) 6815.21,10865 cw(c6815.21,10905.21) R19.1@6786.78,10876.78 ; Left1.5@8280.47,10410 ccw(c8221.26,10410) 8263.13,10451.87 ccw(c8305,10493.74) Left1.5@8305,10434.53 ; Left1.5@8290.47,10410 ccw(c8255.4,10410) 8280.2,10434.8 ccw(c8305,10459.6) Left1.5@8305,10424.53
PE7: Down1.22 P1.14 | length 2082.4
  Top Layer w10: P1.14@8682.66,7702.34 ccw(c8640.79,7744.21) 8700,7744.21 ccw(c8759.21,7744.21) P1.14@8717.34,7702.34 ; P1.14@8689.73,7695.27 ccw(c8664.93,7720.07) 8700,7720.07 ccw(c8735.07,7720.07) P1.14@8710.27,7695.27 ; P1.14@8700,7685 8700,7804 8780,7884 8982.82,7884 9219.82,8121 9844.3,8121 10025.6,8302.3 10025.6,8377.39 Down1.22@9983.07,8419.91 ; Down1.22@9983.07,8395.39 cw(c9983.07,8336.17) 10024.94,8378.04 cw(c10066.81,8419.91) Down1.22@10007.6,8419.91 ; Down1.22@9983.07,8405.39 cw(c9983.07,8370.31) 10007.87,8395.11 cw(c10032.67,8419.91) Down1.22@9997.6,8419.91
PE8: Down1.23 R45.1 U12.2 | length 1180
  Top Layer w10: R45.1@9680,7910 9755,7835 U12.2@9755,7675
  Bottom Layer w10: U12.2@9755,7690 10083.07,8018.07 Down1.23@10083.07,8319.91 ; Down1.23@10065.73,8302.57 cw(c10023.86,8260.7) 10083.07,8260.7 cw(c10142.29,8260.7) Down1.23@10100.42,8302.57 ; Down1.23@10072.8,8309.64 cw(c10048,8284.84) 10083.07,8284.84 cw(c10118.14,8284.84) Down1.23@10093.34,8309.64
PE9: Down1.24 P10.8 | length 2686.5
  Bottom Layer w10: Down1.24@10083.07,8419.91 10328.16,8665 12035,8665 12224.52,8854.52 12308,8854.52 P10.8@12348.74,8813.78 ; Down1.24@10083.07,8434.44 ccw(c10083.07,8469.51) 10107.87,8444.71 ccw(c10132.67,8419.91) Down1.24@10097.6,8419.91 ; Down1.24@10083.07,8444.44 ccw(c10083.07,8503.66) 10124.94,8461.79 ccw(c10166.81,8419.91) Down1.24@10107.6,8419.91 ; P10.8@12328.74,8813.78 ccw(c12280.46,8813.78) 12314.6,8847.92 ccw(c12348.74,8882.06) P10.8@12348.74,8833.78
PE10: Down1.27 P1.13 | length 2275.1
  Top Layer w10: P1.13@8700,7585 8750,7635 8750,7791 8825,7866 8990.28,7866 9227.28,8103 9851.76,8103 9853.76,8105 10068.16,8105 Down1.27@10283.07,8319.91 ; P1.13@8700,7599.53 ccw(c8700,7634.6) 8724.8,7609.8 ccw(c8749.6,7585) P1.13@8714.53,7585 ; P1.13@8700,7609.53 ccw(c8700,7668.74) 8741.87,7626.87 ccw(c8783.74,7585) P1.13@8724.53,7585 ; Down1.27@10258.54,8319.91 cw(c10199.33,8319.91) 10241.2,8278.04 cw(c10283.07,8236.17) Down1.27@10283.07,8295.39 ; Down1.27@10268.54,8319.91 cw(c10233.47,8319.91) 10258.27,8295.11 cw(c10283.07,8270.31) Down1.27@10283.07,8305.39
PE11: Down1.28 P10.7 | length 2374
  Bottom Layer w10: Down1.28@10283.07,8419.91 10498.16,8635 12091.22,8635 P10.7@12270,8813.78 ; Down1.28@10283.07,8434.44 ccw(c10283.07,8469.51) 10307.87,8444.71 ccw(c10332.67,8419.91) Down1.28@10297.6,8419.91 ; Down1.28@10283.07,8444.44 ccw(c10283.07,8503.66) 10324.94,8461.79 ccw(c10366.81,8419.91) Down1.28@10307.6,8419.91 ; P10.7@12250,8813.78 cw(c12201.72,8813.78) 12235.86,8779.64 cw(c12270,8745.5) P10.7@12270,8793.78
PE12: Down1.29 P1.15 | length 2310.1
  Top Layer w10: P1.15@8800,7585 8845,7630 8845,7785 8890,7830 9005.19,7830 9242.19,8067 10115.76,8067 10368.67,8319.91 Down1.29@10383.07,8319.91 ; P1.15@8800,7599.53 ccw(c8800,7634.6) 8824.8,7609.8 ccw(c8849.6,7585) P1.15@8814.53,7585 ; P1.15@8800,7609.53 ccw(c8800,7668.74) 8841.87,7626.87 ccw(c8883.74,7585) P1.15@8824.53,7585 ; 10316.62,8267.86 cw(c10383.07,8201.4) Down1.29@10383.07,8295.39 ; 10333.69,8284.93 cw(c10383.07,8235.55) Down1.29@10383.07,8305.39 ; 10350.76,8302 cw(c10383.07,8269.69) Down1.29@10383.07,8315.39 ; 10351.38,8302.63 ccw(c10334.1,8319.91) Down1.29@10358.54,8319.91
PE13: Down1.30 R44.1 U11.2 | length 1300.4
  Top Layer w10: R44.1@9980,7910 9980,7840 U11.2@10145,7675
  Bottom Layer w10: U11.2@10145,7675 10145,7690 10340.54,7885.54 10340.54,8362.44 ; 10354.79,8376.69 ccw(c10320.18,8411.31) Down1.30@10368.68,8417.94 ; Down1.30@10358.77,8416.59 cw(c10295.12,8407.87) 10340.55,8362.44 ; 10366.71,8388.61 cw(c10383.07,8372.25) Down1.30@10383.07,8395.39 ; 10369.04,8390.94 ccw(c10345.24,8414.74) Down1.30@10378.59,8419.3 ; Down1.30@10383.07,8419.91 10383.07,8404.97 10340.54,8362.44
PE14: Down1.31 P1.17 | length 2271.4
  Top Layer w10: P1.17@8900,7585 8942.53,7627.53 8942.53,7716.43 9257.1,8031 10179.76,8031 10468.67,8319.91 Down1.31@10483.07,8319.91 ; P1.17@8900,7599.53 ccw(c8900,7634.6) 8924.8,7609.8 ccw(c8949.6,7585) P1.17@8914.53,7585 ; P1.17@8900,7609.53 ccw(c8900,7668.74) 8941.87,7626.87 ccw(c8983.74,7585) P1.17@8924.53,7585 ; 10416.62,8267.86 cw(c10483.07,8201.4) Down1.31@10483.07,8295.39 ; 10433.69,8284.93 cw(c10483.07,8235.55) Down1.31@10483.07,8305.39 ; 10450.76,8302 cw(c10483.07,8269.69) Down1.31@10483.07,8315.39 ; 10451.38,8302.63 ccw(c10434.1,8319.91) Down1.31@10458.54,8319.91
PE15: Down1.32 P1.20 | length 2247.9
  Top Layer w10: P1.20@8982.66,7702.34 ccw(c8940.79,7744.21) 9000,7744.21 ccw(c9059.21,7744.21) P1.20@9017.34,7702.34 ; P1.20@8989.73,7695.27 ccw(c8964.93,7720.07) 9000,7720.07 ccw(c9035.07,7720.07) P1.20@9010.27,7695.27 ; P1.20@9000,7685 9000,7745 9268,8013 10236.3,8013 10525.6,8302.3 10525.6,8377.39 Down1.32@10483.07,8419.91 ; Down1.32@10483.07,8395.39 cw(c10483.07,8336.17) 10524.94,8378.04 cw(c10566.81,8419.91) Down1.32@10507.6,8419.91 ; Down1.32@10483.07,8405.39 cw(c10483.07,8370.31) 10507.87,8395.11 cw(c10532.67,8419.91) Down1.32@10497.6,8419.91
PF0: Left1.10 R50.1 S5.1 | length 3788.7
  Top Layer w10: S5.1@7219.09,7920 7240.96,7920 7457.19,8136.23 7613.23,8136.23 7657.09,8180.09 7657.09,8391.04 7490,8558.13 7490,9745 8097.53,10352.53 8422.62,10352.53 8447.53,10327.62 8447.53,10292.38 8405,10249.86 ; S5.1@7219.09,7925 ccw(c7219.09,7989.86) 7264.96,7944 ; S5.1@7219.09,7935 ccw(c7219.09,8024) 7282.03,7961.07 ; S5.1@7219.09,7945 ccw(c7219.09,8058.14) 7299.1,7978.14 ; Left1.10@8393.95,10231.9 ccw(c8384.88,10249.86) 8405,10249.86 ; Left1.10@8405,10210 8405,10249.86 ; Left1.10@8416.05,10231.9 cw(c8425.12,10249.86) 8405,10249.86
PF1: Left1.11 R51.1 S6.1 | length 3253.1
  Top Layer w10: S6.1@7610,7920 7700,8010 7700,8378 7508,8570 7508,9737.54 7895.46,10125 v1(7935,10125) ; S6.1@7610,7935 ccw(c7610,7971.21) 7635.61,7945.61 ccw(c7661.21,7920) S6.1@7625,7920 ; S6.1@7610,7945 ccw(c7610,8005.36) 7652.68,7962.68 ccw(c7695.36,7920) S6.1@7635,7920
  Bottom Layer w10: v1(7935,10125) 8290,10125 Left1.11@8305,10110 ; 8209.57,10125 cw(c8209.57,10014.57) Left1.11@8287.66,10092.66 ; 8233.71,10125 cw(c8233.71,10038.71) Left1.11@8294.73,10099.73 ; 8257.86,10125 cw(c8257.86,10062.86) Left1.11@8301.8,10106.8
PF2: Left1.12 R57.1 | length 1946.9
  Bottom Layer w10: R57.1@6775,10348.35 cw(c6775,10308.14) 6803.43,10336.57 cw(c6831.86,10365) R57.1@6791.65,10365 ; R57.1@6775,10365 6982.47,10157.53 8357.47,10157.53 Left1.12@8405,10110 ; Left1.12@8380.47,10110 ccw(c8321.26,10110) 8363.13,10151.87 ccw(c8405,10193.74) Left1.12@8405,10134.53 ; Left1.12@8390.47,10110 ccw(c8355.4,10110) 8380.2,10134.8 ccw(c8405,10159.6) Left1.12@8405,10124.53
PF3: Left1.13 R55.1 | length 1846.9
  Bottom Layer w10: R55.1@6775,10248.35 cw(c6775,10208.14) 6803.43,10236.57 cw(c6831.86,10265) R55.1@6791.65,10265 ; R55.1@6775,10265 6940,10100 8215,10100 Left1.13@8305,10010 ; Left1.13@8280.47,10010 ccw(c8221.26,10010) 8263.13,10051.87 ccw(c8305,10093.74) Left1.13@8305,10034.53 ; Left1.13@8290.47,10010 ccw(c8255.4,10010) 8280.2,10034.8 ccw(c8305,10059.6) Left1.13@8305,10024.53
PF4: Left1.14 R53.1 | length 1946.9
  Bottom Layer w10: R53.1@6775,10148.35 cw(c6775,10108.14) 6803.43,10136.57 cw(c6831.86,10165) R53.1@6791.65,10165 ; R53.1@6775,10165 6890,10050 8160,10050 8250,9960 8355,9960 Left1.14@8405,10010 ; Left1.14@8380.47,10010 cw(c8321.26,10010) 8363.13,9968.13 cw(c8405,9926.26) Left1.14@8405,9985.47 ; Left1.14@8390.47,10010 cw(c8355.4,10010) 8380.2,9985.2 cw(c8405,9960.4) Left1.14@8405,9995.47
PF5: Left1.15 R64.1 | length 1764
  Bottom Layer w10: R64.1@6775,9855 6830,9910 Left1.15@8305,9910 ; R64.1@6775,9871.65 ccw(c6775,9911.86) 6803.43,9883.43 ccw(c6831.86,9855) R64.1@6791.65,9855 ; Left1.15@8287.66,9892.66 ccw(c8245.79,9850.79) 8245.79,9910 ccw(c8245.79,9969.21) Left1.15@8287.66,9927.34 ; Left1.15@8294.73,9899.73 ccw(c8269.93,9874.93) 8269.93,9910 ccw(c8269.93,9945.07) Left1.15@8294.73,9920.27
PF6: Left1.16 R17.1 | length 2363.1
  Bottom Layer w20: R17.1@6775,10765 7670,10765 8177.47,10257.53 8424.69,10257.53 8460,10222.21 8460,9965 Left1.16@8405,9910 ; R17.1@6783.24,10756.76 cw(c6803.13,10736.87) 6803.13,10765 cw(c6803.13,10793.13) R17.1@6783.24,10773.24 ; Left1.16@8405,9929.53 ccw(c8405,9976.67) 8438.34,9943.34 ccw(c8471.67,9910) Left1.16@8424.53,9910
PF7: Left1.17 R15.1 | length 2701.5
  Bottom Layer w20: R15.1@6763.35,10670 cw(c6735.21,10670) 6755.11,10650.11 cw(c6775,10630.21) R15.1@6775,10658.35 ; R15.1@6775,10670 6611.43,10506.43 6611.43,9875 6673.91,9812.53 8302.47,9812.53 Left1.17@8305,9810 ; 8251.75,9812.53 cw(c8251.75,9756.75) Left1.17@8291.19,9796.19 ; 8263.96,9812.53 ccw(c8263.96,9851.04) Left1.17@8291.19,9823.81
PF8: Left1.18 R61.1 | length 1882.7
  Bottom Layer w10: R61.1@6775,9710 8244.86,9710 8287.38,9752.53 8347.53,9752.53 Left1.18@8405,9810 ; R61.1@6786.78,9698.22 cw(c6815.21,9669.79) 6815.21,9710 cw(c6815.21,9750.21) R61.1@6786.78,9721.78 ; Left1.18@8380.47,9810 cw(c8321.26,9810) 8363.13,9768.13 cw(c8405,9726.26) Left1.18@8405,9785.47 ; Left1.18@8390.47,9810 cw(c8355.4,9810) 8380.2,9785.2 cw(c8405,9760.4) Left1.18@8405,9795.47
PF9: Left1.19 R59.1 | length 1649.1
  Bottom Layer w10: R59.1@6775,9575 6850,9575 6895,9620 8215,9620 Left1.19@8305,9710 ; R59.1@6786.78,9563.22 cw(c6815.21,9534.79) 6815.21,9575 cw(c6815.21,9615.21) R59.1@6786.78,9586.78
PF10: Left1.20 P2.4 | length 850.4
  Top Layer w10: P2.4@7915,9840.47 cw(c7915,9781.26) 7956.87,9823.13 cw(c7998.74,9865) P2.4@7939.53,9865 ; P2.4@7915,9850.47 cw(c7915,9815.4) 7939.8,9840.2 cw(c7964.6,9865) P2.4@7929.53,9865 ; P2.4@7915,9865 8015,9765 8350,9765 Left1.20@8405,9710 ; Left1.20@8380.47,9710 ccw(c8321.26,9710) 8363.13,9751.87 ccw(c8405,9793.74) Left1.20@8405,9734.53 ; Left1.20@8390.47,9710 ccw(c8355.4,9710) 8380.2,9734.8 ccw(c8405,9759.6) Left1.20@8405,9724.53
PF11: Down1.13 R38.1 U10.2 | length 1158.2
  Top Layer w10: R38.1@9305,7925 R38.1@9305,7910 9370,7845 U10.2@9370,7675
  Bottom Layer w10: U10.2@9370,7675 9370,7690 9583.07,7903.07 Down1.13@9583.07,8319.91 ; Down1.13@9565.73,8302.57 cw(c9523.86,8260.7) 9583.07,8260.7 cw(c9642.29,8260.7) Down1.13@9600.42,8302.57 ; Down1.13@9572.8,8309.64 cw(c9548,8284.84) 9583.07,8284.84 cw(c9618.14,8284.84) Down1.13@9593.34,8309.64